# KiCad board hellen72_NB2.kicad_pcb (continued)
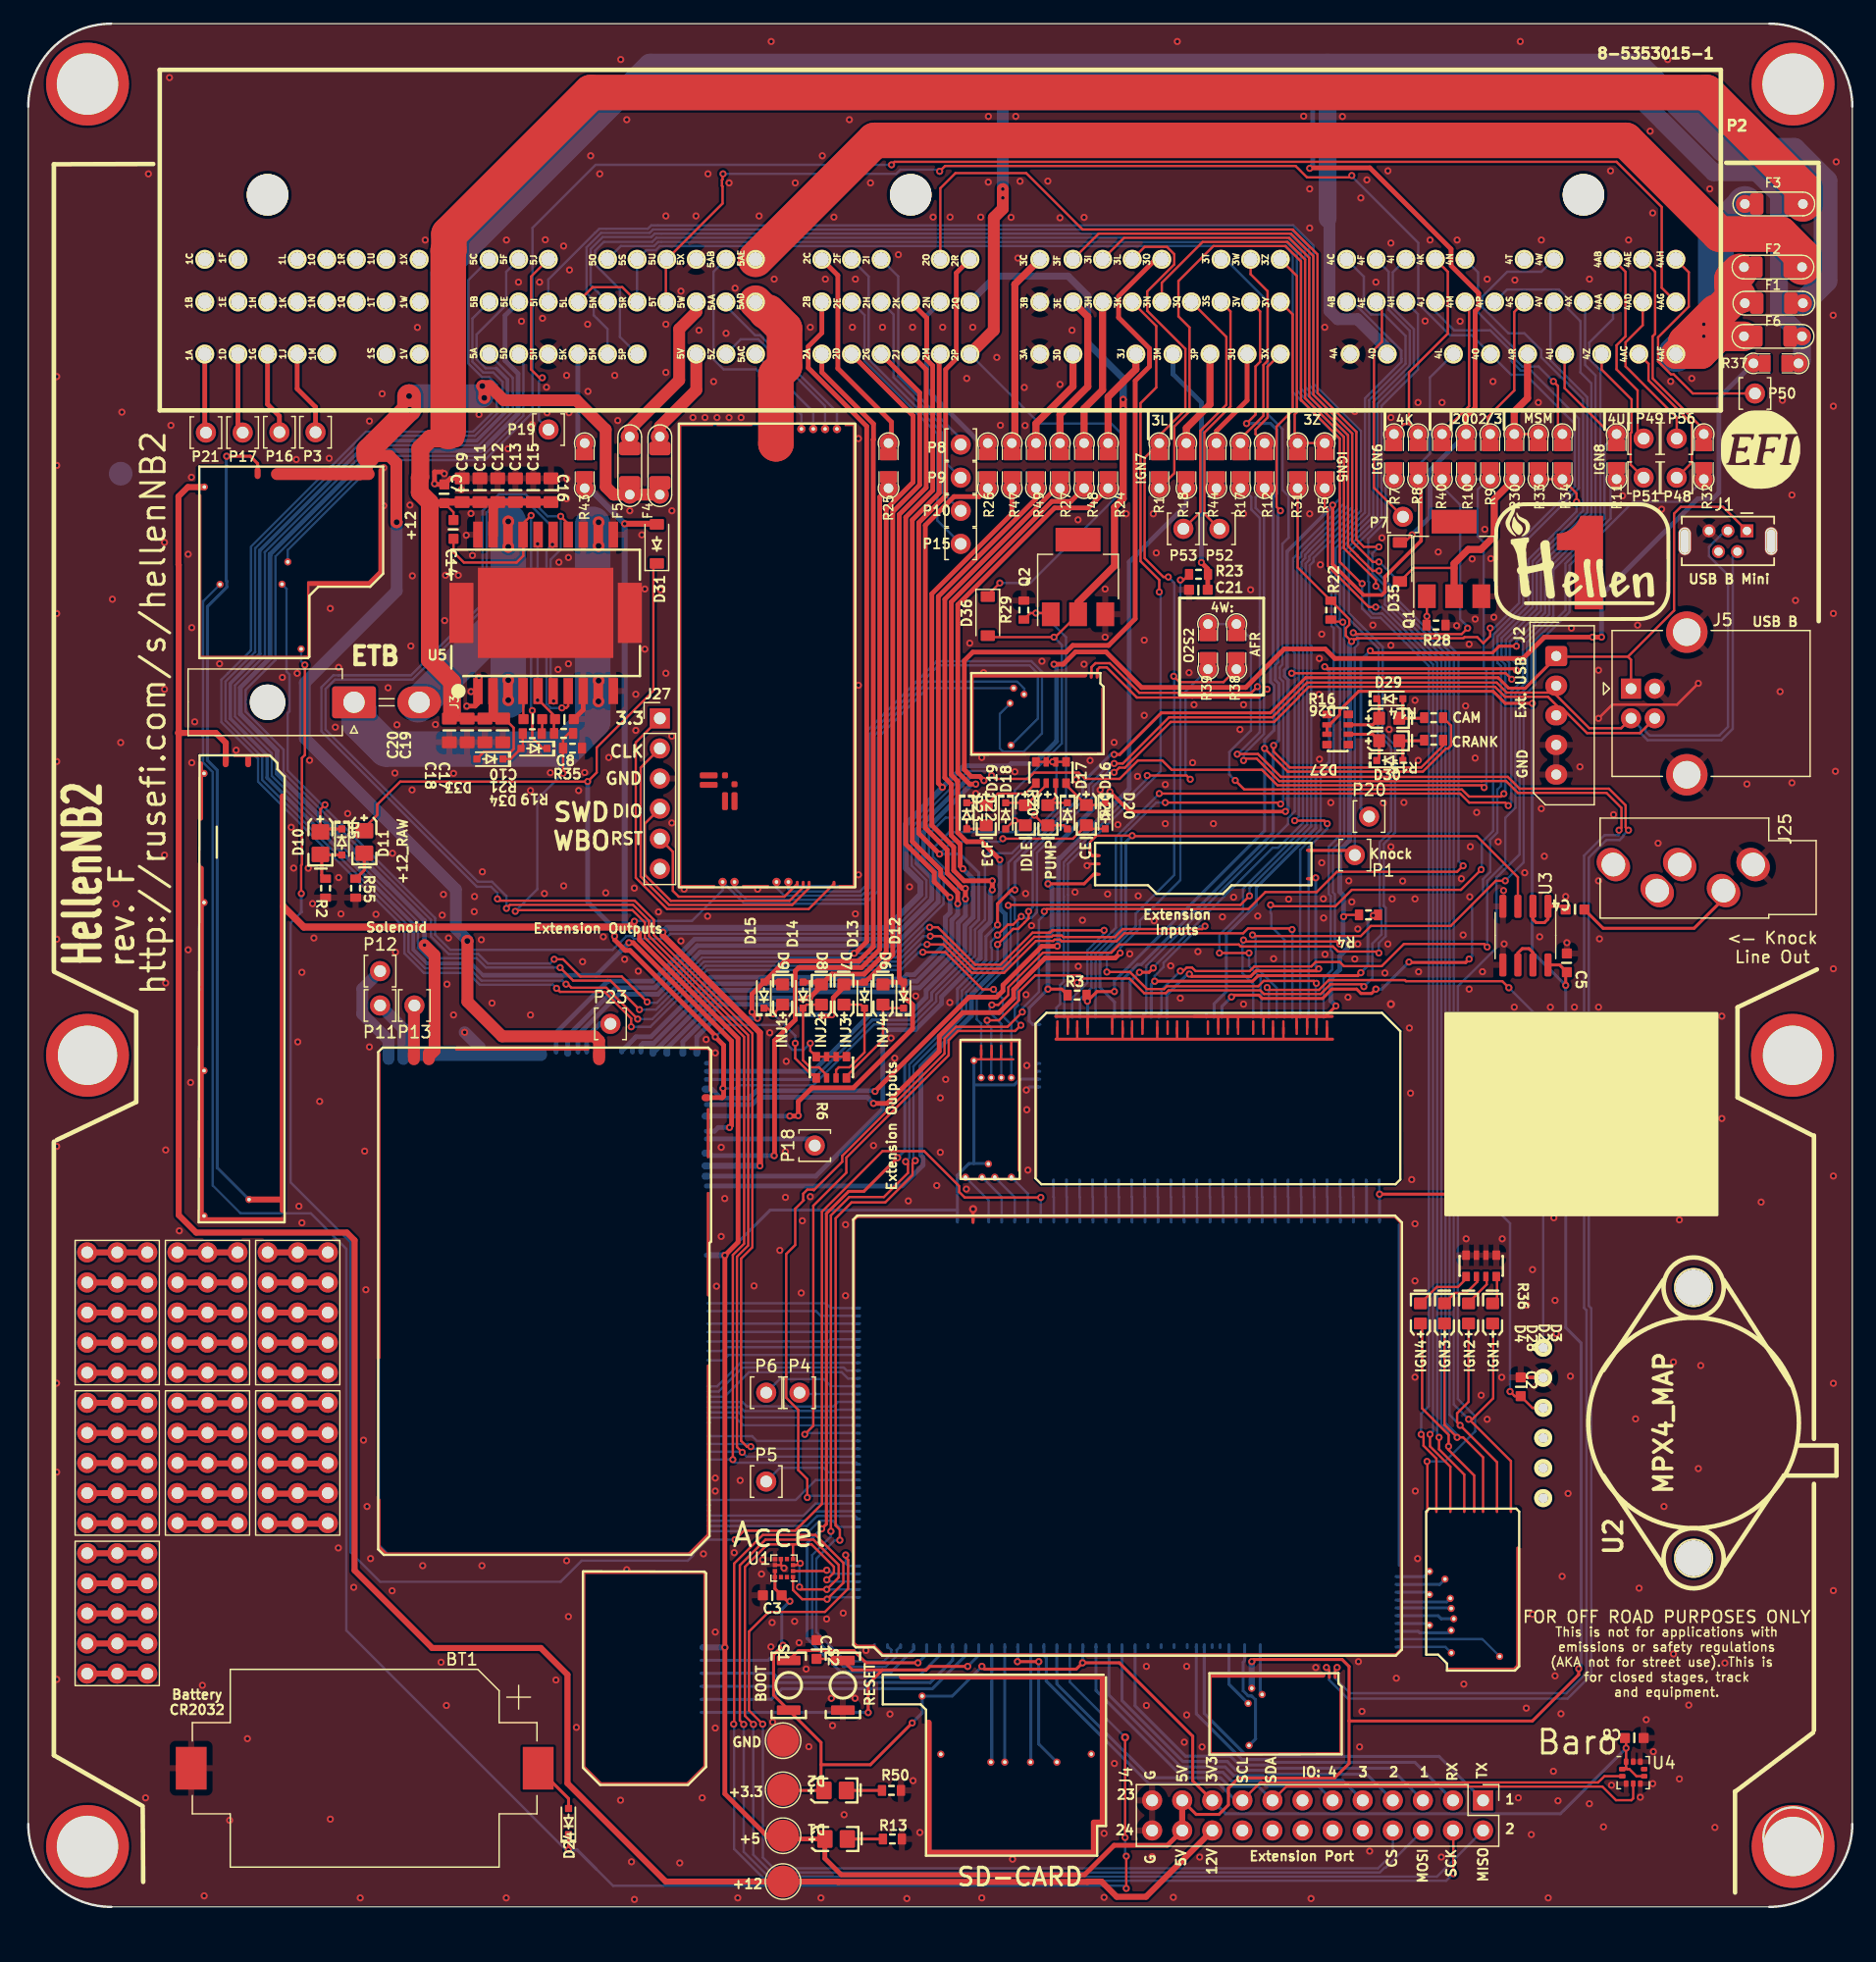
[diagram p0: board, top side]
## Routing (per net, layer and track width the routed paths; a pad name or vN(x,y) marks a point on that pad's centre or on a via; arc(x,y) is an arc through that point) (continued)
/IN_PPS2: length 146.4
  Top w0.2: v1(103.07,80.54) v1(100.57,80.54)
  Bottom w0.2: v1(100.57,80.54) 100.57,82.06 102.56,84.05 102.56,85.97 107.97,91.38 107.97,106.31 107.84,106.44 107.84,113.42 108.16,113.74 108.16,114.03 108.44,114.3 108.44,114.32 112.13,118 112.13,124.49 108.15,128.47 108.15,140.12 106.65,141.62 52.74,141.62 52.46,141.34 48.35,141.34 47.13,140.12 47.13,136.26 47.74,135.66 47.74,134.38 48.9,133.22 P2.96 ; M1.S18 104.1,75.24 104.1,77.3 104.05,77.36 104.05,78.45 103.07,79.43 v1(103.07,80.54)
/IN_RES3: length 168.1
  Top w0.2: v1(75.88,81.26) 77.26,81.26 79.66,78.86 82.38,78.86 85.08,81.55 86.55,81.55 86.65,81.66 87.11,81.66 87.24,81.53 91.88,81.53 92.55,82.21 102.57,82.21 102.98,82.61 106.61,82.61 v1(106.7,82.52) ; v1(45.4,77.91) 45.55,77.91 45.85,77.61 48.8,77.61 v1(51.45,74.96)
  Bottom w0.2: M1.S22 106.72,82.5 v1(106.7,82.52) ; P2.48 37.5,134.11 37.5,130.46 38.4,129.56 39.25,129.56 40.05,128.75 40.05,126.55 37.7,124.2 28.65,124.2 19.15,114.7 19.15,105.96 16.65,103.46 16.65,100.17 19.75,97.08 19.75,95.16 25.55,89.36 25.57,89.36 32.1,82.83 32.1,80.65 33.49,79.26 37.22,79.26 38.27,78.21 45.1,78.21 v1(45.4,77.91) ; v1(51.45,74.96) 52.68,74.96 57.18,79.46 69.02,79.46 69.22,79.26 70.25,79.26 70.45,79.46 73.54,79.46 75.35,81.26 v1(75.88,81.26)
/IN_SENS2: length 65.8
  Top w0.2: P2.67 95.23,133.47 95.23,128.29 93.91,126.96 93.91,113.61 95.49,112.03 v1(95.49,111.02)
  Bottom w0.2: v1(95.49,111.02) 95.6,110.9 95.6,95.87 87.78,88.05 87.78,85.43 87.78,85.43 87.78,77.98 87.47,77.67 M1.S2
/IN_SENS3: length 143.9
  Top w0.2: v1(44.4,80.01) 45.15,80.01 46.6,78.56 50.1,78.56 v1(52.25,76.41) ; v1(76.1,82.71) 76.8,82.71 79.95,79.55 82.09,79.55 84.79,82.25 86.26,82.25 86.46,82.45 v1(90.83,82.45)
  Bottom w0.2: v1(52.25,76.41) 52.32,76.34 53.07,76.34 56.89,80.16 69.31,80.16 69.51,79.96 69.96,79.96 70.16,80.16 73.25,80.16 75.8,82.71 v1(76.1,82.71) ; v1(90.83,82.45) 90.83,82.17 89.41,80.75 89.41,78.01 88.13,76.73 M1.S3 ; v1(44.4,80.01) 44.05,79.65 38.8,79.65 38,80.45 35.49,80.45 34,81.94 34,83.34 24.84,92.51 24.82,92.51 21.55,95.78 21.55,97.71 18.35,100.91 18.35,102.76 20.87,105.27 20.87,114.02 29.36,122.5 38.41,122.5 41.8,125.9 41.8,130.71 P2.93
/IN_STEERING: length 70
  Bottom w0.2: P2.30 112.76,137.65 112.76,135.95 112.75,135.94 112.75,135.07 113.37,134.46 114.47,134.46 116.28,132.64 116.28,130.29 113.2,127.21 113.2,117.55 110.38,114.72 110.38,108.3 110.75,107.93 110.75,90.46 109.8,89.52 109.8,85.5 109.96,85.34 109.96,80.79 110.08,80.67 110.08,79.13 109.36,78.41 M1.S26
/IN_TPS: length 187.3
  Top w0.2: v1(125.25,103.65) 124.74,104.16 106.92,104.16
  Bottom w0.2: 107.81,115.21 107.17,114.57 107.17,114.52 107.12,114.46 107.12,114.17 106.8,113.85 106.8,106 106.92,105.88 106.92,92.49 106.37,91.94 106.37,91.43 94.39,79.46 94.39,75.46 M1.S10 ; P2.80 128.51,135.21 128.51,130.57 131.62,127.46 131.62,117.73 128.18,114.29 127.36,113.47 127.36,109.6 124.74,106.98 124.74,105.33 125.05,105.02 125.05,103.85 v1(125.25,103.65) ; P2.11 50.02,140.23 52.83,140.23 53.18,140.57 53.47,140.57 106.21,140.57 107.1,139.68 107.1,128.03 111.08,124.06 111.08,118.48 107.78,115.17
  vias: v1(106.66,104.16)
/IN_TPS2: length 141.5
  Top w0.254: v1(93.81,78.91) 94.62,78.91 v1(94.98,79.27)
  Bottom w0.2: P2.52 47.48,136.93 47.48,139.97 48.5,140.99 52.6,140.99 52.89,141.27 53.47,141.27 106.5,141.27 107.8,139.97 107.8,128.32 111.78,124.35 111.78,118.16 108.19,114.57 108.19,114.56 108.09,114.46 108.09,114.45 107.81,114.17 107.81,113.88 107.49,113.56 107.49,106.29 107.62,106.17 107.62,91.52 105.52,89.43 105.07,89.43 94.98,79.33 v1(94.98,79.27)
  Bottom w0.254: v1(93.81,78.91) 93.03,78.12 M1.S9
/IN_VIGN: length 171.4
  Top w0.2: v1(25.05,93.06) 24.66,92.67 D10.1 ; v1(81.33,95.52) 81.62,95.24 84.39,95.24 84.92,95.77 88.7,95.77 89.22,95.24 92.14,95.24 93.69,96.79 95.74,96.79 96.53,96.01 104.16,96.01 105.47,94.7 122.73,94.7 v1(122.92,94.51)
  Top w0.254: 24.78,90.61 25.18,91.01 D5.1
  Bottom w0.2: v1(122.92,94.51) 123.11,94.69 123.11,104.4 122.88,104.62 122.88,115.21 122.37,115.72 122.37,119.66 123.22,120.51 ; M10.V3 21.8,111.3 21.8,104.3 22.05,104.05 22.05,100.94 21.9,100.79 21.9,95.93 24.78,93.06 v1(25.05,93.06) 25.05,92.78 34.35,83.48 34.35,82.08 35.63,80.8 49.33,80.8 50.48,81.95 50.94,81.95 51.15,81.74 53.81,81.74 54.22,82.15 72.71,82.15 75.82,85.27 75.82,86.68 74.59,87.92 74.59,91.16 79.32,95.9 80.96,95.9 v1(81.33,95.52) ; R10.1 R9.1
/IN_VSS: length 79.8
  Top w0.2: v1(105.73,93.11) 105.61,93.24 v1(96,93.24)
  Bottom w0.2: P2.27 101.09,139.11 104.65,135.54 104.65,126.01 105.9,124.76 105.9,119.62 106.41,119.11 106.41,115.61 105.88,115.08 105.88,104.89 105.66,104.67 105.66,103.74 105.96,103.45 105.96,93.34 v1(105.73,93.11) ; M1.S6 90.11,80.46 92.28,82.63 92.28,90.29 92.97,90.99 92.99,90.99 95.23,93.24 v1(96,93.24)
/IN_VTCS: length 87.6
  Top w0.2: v1(104.89,84.6) 105,84.48 110.36,84.48 111.74,85.87 120.95,85.87 v1(122.67,87.58)
  Bottom w0.2: v1(104.89,84.6) 104.89,83.92 104.95,83.86 104.95,82.75 106.06,81.64 M1.S21 ; P2.76 118.8,134.69 120.38,133.11 123.43,133.11 125.18,131.36 125.18,130.53 126,129.71 126.87,129.71 130.92,125.66 130.92,119.79 126.22,115.09 126.22,109.94 123.68,107.4 123.68,90.85 122.73,89.9 122.73,87.64 v1(122.67,87.58)
/INJ1: length 13.7
  Bottom w0.2: M3.E25 70.05,44.61 69.21,44.61 68.68,45.14 60.85,45.14 58.78,43.07 M5.W24
/INJ2: length 13.6
  Bottom w0.2: M5.W23 58.28,43.51 60.31,45.54 68.84,45.54 69.1,45.28 M3.E26
/INJ3: length 12.8
  Bottom w0.2: M5.W20 58.55,46.94 58.87,47.26 M3.E29
/INJ4: length 12.7
  Bottom w0.2: M3.E30 67.73,47.92 67.55,47.74 M5.W19
/INJ5: length 12.6
  Bottom w0.2: M5.W18 67.55,48.54 67.59,48.58 M3.E31
/INJ6: length 12.6
  Bottom w0.2: M3.E32 57.45,49.24 M5.W17
/INJ7: length 12.8
  Bottom w0.2: M3.E33 66.91,49.9 66.5,50.31 66.5,50.3 M5.W16
/INJ8_BOOST: length 12.8
  Bottom w0.2: M3.E34 67.76,50.56 67.35,50.96 M5.W15
/IO4: length 5
  Bottom w0.2: P4.1 65.22,43.3 M3.E23
/IO12: length 8.4
  Bottom w0.2: M3.E13 67.52,36.7 67.16,37.06 63.45,37.06 P5.1
/IO13: length 8.5
  Bottom w0.2: P6.1 63.45,44.56 67.16,44.56 67.76,43.96 M3.E24
/KNOCK: length 3.3
  Bottom w0.2: M3.S12 90.98,59.92 90.96,59.95 M1.N22
/LOW7_HIGH1: length 13.1
  Bottom w0.2: M5.W39 65.77,32.16 66.61,33 69.74,33 69.77,32.97 69.83,32.97 M3.E7
/MAIN: length 13.2
  Bottom w0.2: M5.W40 65.93,31.72 66.81,32.6 67.92,32.6 68.44,32.08 M3.E6
/MAP1: length 3.3
  Bottom w0.2: M3.S20 99.78,59.92 99.76,59.95 M1.N14
/MAP2: length 3.3
  Bottom w0.2: M1.N13 100.86,59.95 100.88,59.92 M3.S21
/MAP3: length 3.3
  Bottom w0.2: M1.N12 101.96,59.95 101.98,59.92 M3.S22
/NRESET: length 33.5
  Top w0.2: C1.2 68.64,20.94 S2.1
  Top w0.254: S2.1 69.58,20.01 72.11,20.01 ; v2(70.91,16.41) 70.91,18.81 72.11,20.01 ; 72.11,20.01 75.75,20.01 75.78,19.97 76.11,20.31 v2(79.31,20.31)
  Bottom w0.254: v2(70.91,16.41) 70.9,16.42 M7.N6 ; M3.N24 80.24,21.24 v2(79.31,20.31)
/O2H: length 13
  Bottom w0.2: M5.W38 65.61,32.6 66.41,33.4 M3.E8
/O2H2: length 13.3
  Bottom w0.2: M5.W34 64.79,34.36 66.47,36.04 M3.E12
/OUT_AC_RELAY: length 88.8
  Top w0.4: v1(77.82,85.23) 76.48,86.57 76.48,87.33 74.08,89.73 74.08,117.33 76.35,119.6 76.35,130.13 75.85,130.63 75.85,134.15 P2.61
  Bottom w0.4: M5.S12 51.31,73.47 52.58,73.47 57.6,78.49 66.9,78.49 67.03,78.35 73.83,78.35 74.18,78.7 74.8,78.7 77.42,81.33 77.42,83.54 77.82,83.94 v1(77.82,85.23)
/OUT_ALTERNATOR: length 21.1
  Top w0.4: C21.2 99.58,112.97 v1(99.04,113.51)
  Bottom w0.4: P2.110 96.64,129.42 99.04,127.02 v1(99.04,113.51)
/OUT_CANIST: length 70.9
  Top w0.4: R27.2 86.75,119.78 77.38,110.4 77.38,95.34 77.92,94.8 77.92,90.47 78.68,89.71 78.68,87.87 v1(78.91,87.65)
  Bottom w0.4: v1(78.91,87.65) 79.77,86.79 79.77,83.56 79.07,82.86 79.07,80.65 75.8,77.38 75.8,76.8 74.36,75.36 71.07,75.36 66.25,70.54 M5.W2
/OUT_CHECK_ENGINE: length 105.9
  Top w0.2: D20.2 89.63,91.02 D16.2 88.19,90.19 v1(82.28,90.19)
  Top w0.4: v1(76.93,88.89) 75.18,90.64 75.18,116.88 77.45,119.15 77.45,129.81 78.35,130.71 78.35,137.96 P2.21
  Bottom w0.2: v1(82.28,90.19) 82.03,89.93 77.98,89.93 v1(76.93,88.89)
  Bottom w0.254: v1(76.93,88.89) 78.67,88.89 80.25,87.31 80.25,83.36 79.55,82.66 79.55,80.45 76.28,77.18 76.28,76.6 74.56,74.88 71.27,74.88 66.25,69.86 M5.W3
/OUT_ECF_RELAY: length 107.8
  Top w0.2: v1(79.23,91.97) D23.2 80.58,91.02 D19.2
  Top w0.4: P2.58 67,132.9 65.85,131.75 65.85,129.94 70.79,125.01 70.79,81.49 69.8,80.51 v1(69.73,80.51)
  Bottom w0.2: v1(69.73,80.51) 73.11,80.51 77.27,84.67 77.27,87.28 76.03,88.52 76.03,90.55 77.45,91.97 v1(79.23,91.97)
  Bottom w0.4: v1(69.73,80.51) 69.63,80.61 56.71,80.61 53.16,77.06 49.84,77.06 46.41,73.62 M5.S8
/OUT_ETB+: length 25.7
  Bottom w3: 40.53,108.63 v4(40.53,103.58) v4(40.53,101.88) ; 40.53,108.63 40.03,108.63 32.9,101.5 ; 40.53,108.63 v4(40.53,114.83) v4(40.53,116.98)
/OUT_ETB-: length 40
  Bottom w3: 27.4,101.5 27.93,100.97 27.93,100.06 30.23,97.75 45.04,97.75 45.14,97.65 45.2,97.65 47.65,100.11 47.65,116.73
  vias: v4(48.15,116.91) v4(48.15,114.91) v4(48.15,103.53) v4(48.14,101.78)
/OUT_HIGH1: length 124.5
  Top w0.4: v1(50.71,81.4) 51.07,81.4 59.38,73.1 59.38,65.98 v1(59.2,65.81)
  Bottom w0.2: P2.9 40.35,138.06 40.35,135.26 37.85,132.76 37.85,130.67 38.62,129.91 39.5,129.91
  Bottom w0.3: 39.5,129.91 40.45,128.95 40.45,126.39 37.87,123.8 28.82,123.8 19.55,114.54 19.55,105.79 17.05,103.29 17.05,100.34 20.16,97.23 20.16,95.33 32.5,82.99 32.5,80.81 33.66,79.66 37.4,79.66 38.4,78.66 38.45,78.66
  Bottom w0.4: v1(59.2,65.81) 58.25,65.81 57.94,65.49 M5.W8 ; v1(50.71,81.4) 47.96,78.66 38.45,78.66
/OUT_HIGH2: length 3.6
  Bottom w0.4: P23.1 48.25,74.56 47.14,73.44 M5.S9
/OUT_IDLE: length 70
  Top w0.2: D22.2 83.21,91.71 v1(83.3,91.71) 83.79,91.71 D18.2 ; Q2.2 86.7,107.21 81.14,107.21 D36.2
  Top w0.6: v1(92.44,127.27) v1(92.44,126.51) 92.44,118.89 91.71,118.16 91.71,113.23 88.63,110.14 Q2.2
  Bottom w0.2: v1(83.3,91.71) 83.3,94.27 87.26,98.23 87.26,106.54 v1(86.6,107.21)
  Bottom w0.6: v1(92.44,126.51) v1(92.44,127.27) 92.44,129.05 89.45,132.04 89.45,136.02 87.79,137.69 81.68,137.69 P2.63
/OUT_IGN1: length 144.2
  Top w0.2: v1(114.03,113.56) 113.51,113.56 111.78,115.29 111.78,124.4 108.5,127.68 108.5,139.38 106.6,141.27 90.37,141.27 P2.23 ; 123.68,49.19 123.68,42.94 121.9,41.17 v1(121.61,41.17) 121.65,41.17 125.18,37.64 M2.S8
  Bottom w0.2: v1(121.61,41.17) 120.35,42.42 120.35,105.64 115.59,110.4 115.59,112.03 114.06,113.56 v1(114.03,113.56)
/OUT_IGN2: length 140.7
  Top w0.2: D25.1 121.6,42.64 120.63,41.67 120.63,40.91 v1(120.89,40.66) 124,37.54 M2.S7 ; v1(114.04,112.8) 113.5,112.8 112.25,114.05 112.25,114.06 111.43,114.89 111.43,124.26 108.15,127.54 108.15,139.23 106.46,140.92 92.52,140.92 P2.24
  Bottom w0.2: v1(114.04,112.8) 114.04,112.52 115.24,111.32 115.24,110.25 120,105.49 120,41.55 v1(120.89,40.66)
/OUT_IGN3: length 164.7
  Top w0.2: D28.1 119.57,40.71 v1(120.63,39.64) 121.14,39.64 122.83,37.96 M2.S6 ; v1(114.03,114.83) 112.76,114.83 112.13,115.46 112.13,124.55 108.85,127.83 108.85,139.52 106.79,141.58 106.79,141.62 89.01,141.62 84.25,146.38 78.28,146.38 77,145.11 P2.20
  Bottom w0.2: v1(114.03,114.83) 113.48,114.28 113.48,112.58 114.89,111.18 114.89,110.11 119.65,105.35 119.65,40.87 120.63,39.88 v1(120.63,39.64)
/OUT_IGN4: length 138.7
  Top w0.2: M2.S5 122.08,36.42 119.91,38.58 v1(119.91,38.88) 119.91,39.85 117.68,42.09 117.68,49.11 D4.1 ; v1(113.78,111.51) 113.78,112.02 111.08,114.71 111.08,124.11 107.8,127.39 107.8,139.09 106.31,140.57 99.15,140.57 95.7,137.13 P2.68
  Bottom w0.2: v1(119.91,38.88) 119.91,40.11 119.3,40.72 119.3,105.2 114.54,109.96 114.54,110.78 113.8,111.51 v1(113.78,111.51)
/OUT_IGN5: length 91.9
  Top w0.2: R5.1 109.46,118.24 109.72,117.97 109.72,113.2 113.18,109.75 113.81,109.75 ; v1(119.11,39.64) 119.11,38.63 121.24,36.5 M2.S4
  Bottom w0.2: v1(119.11,39.64) 118.95,39.8 118.95,105.06 114.26,109.75 v1(113.76,109.75)
/OUT_IGN6: length 91.5
  Top w0.2: v1(118.35,39.9) 118.35,38.88 120.06,37.17 M2.S3
  Bottom w0.2: v1(118.35,39.9) 118.6,40.15 118.6,104.91 114.32,109.2 113.53,109.2 113.21,109.52 113.21,111.84 113.13,111.91 113.13,115.49 114.6,116.97 114.6,119.84 R7.1
/OUT_IGN7: length 143.5
  Top w0.2: M2.S2 118.89,37.85 117.8,38.93 117.8,39.7 v1(117.6,39.9) ; 95.49,120.92 R1.1 96.76,121.05 96.76,124.99 98.04,126.27 98.04,133.35 97.11,134.29 97.11,137.27 100.06,140.23 106.16,140.23 107.45,138.93 107.45,127.19 107.51,127.19 110.73,123.97 110.73,113.56 112.56,111.72 v1(112.62,111.72)
  Bottom w0.2: v1(117.6,39.9) 117.6,41.62 118.25,42.28 118.25,104.77 114.17,108.85 113.39,108.85 112.62,109.62 v1(112.62,111.72)
/OUT_IGN8: length 95.8
  Top w0.2: M2.S1 118.13,37.58 v1(118.09,37.61)
  Bottom w0.2: R11.1 133.59,120.03 133.59,117.22 129.78,113.41 129.78,109.49 126.89,106.6 126.89,103.33 125.9,102.34 125.9,88.85 123.95,86.9 123.95,80.98 120.7,77.73 120.7,42.88 122.16,41.42 122.16,40.15 119.62,37.61 v1(118.09,37.61)
/OUT_INJ1: length 75.4
  Top w0.4: D9.2 63.49,78.08 D15.2 ; D15.2 61.1,77.07 v1(61.1,75.56) 61.1,75.49 v2(61.57,75.02) ; D15.2 63.89,79.86 70.13,79.86 71.34,81.07 71.34,123.87 71.36,123.89 71.36,125.21 67,129.57 P2.101
  Bottom w0.4: M5.S18 56.44,73.44 58.02,75.02 v2(61.57,75.02) 61.1,75.49 v1(61.1,75.56)
/OUT_INJ2: length 78
  Top w0.4: v1(65.4,76.63) 65.5,76.73 v2(65.96,76.73) 66.96,77.74 D8.2 ; P2.102 74.71,125.9 74.71,120.28 72.44,118.01 72.44,80.61 70.58,78.76 67.84,78.76 67.16,78.08 D14.2
  Bottom w0.4: M5.S16 53.91,72.47 58.2,76.75 65.28,76.75 v1(65.4,76.63) 65.5,76.73 v2(65.96,76.73)
/OUT_INJ3: length 79.8
  Top w0.4: v2(67,75.23) 67.75,75.23 67.96,75.44 67.96,76.77 69.28,78.08 D13.2 ; D7.2 68.98,78 70.52,78 D13.2 ; D13.2 70.68,78.08 72.99,80.38 72.99,117.79 75.26,120.06 75.26,127.85 P2.103 ; v1(67.84,75.32) 67.86,75.34
  Bottom w0.4: v2(67,75.23) 67.09,75.32 v1(67.84,75.32) 65.44,75.32 64.55,76.21 58.42,76.21 55.26,73.05 M5.S17
/OUT_INJ4: length 82.7
  Top w0.4: D6.2 72.36,78.08 D12.2 ; v1(64.3,66.77) 64.97,66.77 v2(65.01,66.81) 65.01,67.99 66.17,69.15 69.66,69.15 74.66,74.15 74.66,76.18 74.31,76.53 74.23,76.53 73.9,76.86 D12.2 ; D12.2 73.53,78.44 73.53,117.56 75.81,119.83 75.81,129.8 P2.104
  Bottom w0.4: v2(65.01,66.81) 64.97,66.77 v1(64.3,66.77) M5.W7
/OUT_INJ5: length 69.3
  Top w0.4: v2(62.98,63.43) 63,63.46 63,73.14 64.75,74.9 64.75,79.01 65.05,79.31 70.35,79.31 71.89,80.84 71.89,119.04 R25.1
  Bottom w0.4: v2(62.98,63.43) 62.97,63.43 57.73,63.43 57.52,63.64 M5.W10
/OUT_INJ6: length 74.5
  Top w0.4: R26.1 80.3,119.07 78.16,119.07 75.73,116.65 75.73,91.1 77.58,89.25 77.58,87.28 78.88,85.98 v1(79.12,85.98) v1(79.12,85.11)
  Bottom w0.4: v1(79.12,85.98) v1(79.12,85.11) 79.12,83.69 78.52,83.09 78.52,80.88 75.23,77.58 75.21,77.6 74.63,77.6 74.28,77.26 66.57,77.26 66.44,77.39 58.05,77.39 52.83,72.17 M5.S15
/OUT_INJ7: length 81.9
  Top w0.4: v1(81.39,85.87) v1(81.39,86.63) 79.01,86.63 78.13,87.51 78.13,89.48 76.28,91.33 76.28,110.86 83.04,117.62 R47.1
  Bottom w0.4: v1(81.39,86.63) v1(81.39,85.87) 81.22,85.7 81.22,83.17 80.38,82.32 80.38,80.11 77.1,76.84 77.1,76.26 74.9,74.05 72.55,74.05 72.14,73.65 72.14,67.35 66.49,61.69 M5.W12
/OUT_INJ8_BOOST: length 233.1
  Top w0.4: R49.1 85.07,118.87 76.83,110.63 76.83,94.87 v1(77.18,94.53) ; v1(132.83,107.21) v1(132.06,107.21) 128,107.21 126.2,105.41 110.3,105.41 109.5,106.21 106.04,106.21 102.79,102.96 93.99,102.96 90.99,105.96 88.41,105.96 87.37,104.92 v1(86.6,104.92)
  Top w0.508: v1(53.58,82.29) 53.58,82.01 61.77,73.82 v1(61.77,62.57) ; D31.2 53.02,116.78 v1(50.35,116.78)
  Bottom w0.4: v1(132.06,107.21) v1(132.83,107.21) 132.83,110.76 140.95,118.89 142.22,118.89 142.73,119.4 142.73,127.4 R37.1 ; v1(77.18,94.53) 78.99,96.35 82.81,96.35 83.01,96.54 84.93,96.54 86.81,98.42 86.81,104.7 v1(86.6,104.92)
  Bottom w0.508: R43.1 47.35,119.4 47.74,119.4 v1(50.35,116.78) 50.35,83.03 50.88,82.5 53.36,82.5 v1(53.58,82.29) 53.95,82.66 72.5,82.66 75.32,85.48 75.32,86.47 74.08,87.71 74.08,91.39 77.18,94.48 v1(77.18,94.53) ; M5.W11 v1(61.77,62.57)
/OUT_LOW7_PULLUP: length 9.3
  Bottom w0.4: M5.W9 65.84,64.84 P18.1
/OUT_MAIN_RELAY: length 87.3
  Top w0.4: R48.1 88.03,118.67 86.42,118.67 77.93,110.18 77.93,95.57 78.47,95.03 78.47,90.7 79.23,89.93 80.5,89.93 v1(82.03,88.41)
  Bottom w0.4: v1(82.03,88.41) 82.04,88.4 82.04,84.27 82.49,83.82 82.49,79.88 79.63,77.02 79.63,75.24 75.35,70.96 75.35,63.47 75.54,63.28 75.54,62.62 73.79,60.87 M5.W13
/OUT_O2H: length 82.7
  Top w0.4: v1(79.99,94.8) 79.48,94.8 78.48,95.79 78.48,109.95 86.65,118.12 89.51,118.12 R24.1
  Bottom w0.4: M5.S7 45.54,73.53 49.62,77.61 52.93,77.61 56.48,81.16 73.12,81.16 76.82,84.86 76.82,87.09 75.59,88.33 75.59,90.73 79.65,94.8 v1(79.99,94.8)
/OUT_O2H2: length 78.9
  Top w0.4: v1(71.49,68.85) 71.49,68.88 79.42,76.8 81.75,76.8 82.29,77.35 82.29,77.82 85.57,81.11 86.87,81.11 v1(86.88,81.11)
  Bottom w0.4: R18.1 97.77,118.38 92.95,113.56 92.95,94.38 87.1,88.54 86.98,88.54 86.98,81.21 v1(86.88,81.11) ; v1(71.49,68.85) 71.44,68.91 61.49,68.91 60.87,68.29 58.47,68.29 57.71,69.04 M5.W4
/OUT_PUMP_RELAY: length 101.9
  Top w0.2: v1(84.95,92.17) 85.8,91.32 D17.2 87.43,91.32 D21.2
  Top w0.4: v1(78.47,84.7) 78.47,85.61 77.03,87.05 77.03,87.56 74.63,89.96 74.63,117.1 76.9,119.37 76.9,130.35 76.58,130.68 P2.105
  Bottom w0.2: v1(84.95,92.17) 83.51,90.74 77.75,90.74 76.38,89.37 76.38,88.66 78.47,86.57 v1(78.47,84.7)
  Bottom w0.4: v1(78.47,84.7) 78.47,83.81 77.97,83.31 77.97,81.1 75.02,78.15 74.4,78.15 74.05,77.8 66.8,77.8 66.67,77.94 57.83,77.94 52.81,72.92 51.91,72.92 51.72,72.72 M5.S14
/OUT_SOLENOID_A1: length 8.8
  Bottom w1: P12.1 28.2,77.51 28.2,75.39 30.3,73.29 30.41,73.29 M5.S1
/OUT_SOLENOID_A2: length 5.1
  Bottom w1: M5.S2 31.67,74.14 P11.1
/OUT_SOLENOID_B1: length 4.3
  Top w1: M5.S4 32.56,76.06 P13.1
/OUT_SOLENOID_B2: length 86.6
  Top w1: M5.S5 34.3,72.3 34.3,80.36 v1(33.45,81.21)
  Bottom w0.4: v1(33.45,81.21) 33.45,83.25 30.35,86.35 30.34,86.35 21.01,95.69 21.01,97.61 17.9,100.72 17.9,102.94 20.42,105.46 20.42,114.21 29.17,122.95 38.22,122.95 41.35,126.09 41.35,129.45 40.25,130.55 40.25,134.36 P2.49
/OUT_TACH: length 112.8
  Top w0.4: P2.26 95.18,139.11 92.05,135.98 92.05,134.19 94.66,131.58 94.66,130.05 93.46,128.85 93.46,108.76 91.21,106.51 88.18,106.51 87.61,105.94 79.74,105.94 79.03,105.23 79.03,96.02 79.61,95.45 80.33,95.45 v1(80.68,95.09)
  Bottom w0.4: M5.S6 44.56,73.81 48.91,78.16 52.7,78.16 56.25,81.7 72.9,81.7 76.27,85.08 76.27,86.86 75.04,88.1 75.04,90.96 79.52,95.45 80.33,95.45 v1(80.68,95.09)
/OUT_VVT: length 17.7
  Top w0.2: D35.2 116.95,113.05 120.38,113.05
  Top w0.6: R30.1 123.77,118.85 123.77,115.73 122.65,114.61 121.57,114.61 120.38,113.42 Q1.2
/PPS: length 3.3
  Bottom w0.2: M3.S29 109.68,59.92 109.66,59.95 M1.N5
/PPS2: length 3.3
  Bottom w0.2: M1.N9 105.26,59.95 105.28,59.92 M3.S25
/PRESSURE: length 3.3
  Bottom w0.2: M1.N10 104.16,59.95 104.18,59.92 M3.S24
/PUMP: length 12.8
  Bottom w0.2: M5.W27 59.97,41.75 60.4,41.32 M3.E20
/RES3: length 3.3
  Bottom w0.2: M3.S23 103.08,59.92 103.06,59.95 M1.N11
/SD_CS: length 9.8
  Bottom w0.254: M4.V4 81.34,12.3 M3.N23
/SD_MISO: length 12.2
  Top w0.254: v2(85.31,20.71) v2(83.51,20.71)
  Bottom w0.254: M3.N21 83.54,20.74 v2(83.51,20.71) ; v2(85.31,20.71) 85.31,13.75 M4.V7
/SD_MOSI: length 9.8
  Bottom w0.254: M3.N22 M4.V5
/SD_SCK: length 9.8
  Bottom w0.254: M4.V6 84.64,12.25 M3.N20
/SENS1: length 3.3
  Bottom w0.2: M3.S8 86.58,59.92 86.56,59.95 M1.N26
/SENS2: length 3.3
  Bottom w0.2: M3.S9 87.68,59.92 87.66,59.95 M1.N25
/SENS3: length 3.3
  Bottom w0.2: M3.S10 88.78,59.92 88.76,59.95 M1.N24
/SENS4: length 3.3
  Bottom w0.2: M3.S11 89.88,59.92 89.86,59.95 M1.N23
/SOLENOID_B2: length 12.8
  Bottom w0.2: M3.E17 61.52,39.34 61.11,39.74 M5.W30
/STEERING: length 3.3
  Bottom w0.2: M1.N3 111.86,59.95 111.88,59.92 M3.S31
/TACH: length 13.4
  Bottom w0.2: M5.W22 58.16,43.95 60.15,45.94 M3.E27
/TPS: length 3.3
  Bottom w0.2: M3.S17 96.48,59.92 96.46,59.95 M1.N17
/TPS2: length 3.3
  Bottom w0.2: M3.S30 110.78,59.92 110.76,59.95 M1.N4
/UART_EXT_RX: length 30.4
  Bottom w0.254: J4.3 117.07,12.21 105.04,12.21 104.81,12.44 102.48,12.44 98.62,16.3 M3.N7
/UART_EXT_TX: length 32.3
  Bottom w0.254: J4.1 119.11,12.71 105.41,12.71 105.21,12.91 102.71,12.91 99.28,16.33 M3.N6
/USB+: length 174.7
  Top w0.203: v1(91.68,95.79) 91.71,95.79 92.1,96.18 92.59,96.18 96.45,100.05 105.18,100.05 107.26,102.13 107.26,102.17 108.11,103.01 123.84,103.01 124.68,102.17 128.31,102.17 129.33,101.15 129.56,101.15 ; 129.56,101.15 129.02,100.61 J2.3 ; 129.56,101.15 131.6,99.11 136.07,99.11 137.32,100.36 ; v1(83.84,83.62) 83.14,82.93 82.71,82.93 v2(81.83,82.06) ; v2(74.07,62.92) 74.27,62.72 74.27,61.97 72.24,59.93 69.32,59.93 67.76,58.38 v2(67.76,31.71)
  Bottom w0.203: M3.N30 73.32,21.69 73.32,21.19 72.41,20.28 68.82,20.28 66.18,22.91 66.18,29.7 67.76,31.28 v2(67.76,31.71) ; v2(81.83,82.06) 81.28,81.5 81.28,81.03 81.35,80.95 81.35,79.88 78.83,77.35 78.83,75.57 74.38,71.12 74.38,63.23 v2(74.07,62.92) ; v1(91.68,95.79) 91.53,95.93 91.27,95.93 89.89,94.56 89.89,93.74 85.16,89.01 85.16,83.98 84.68,83.5 83.96,83.5 v1(83.84,83.62) ; J1.3 143.27,116.18 141.9,114.81 141.9,114.05 143.5,112.44 143.5,99.63 142.78,98.91 136.89,98.91 136.55,99.24 136.55,99.58 137.32,100.36
/USB-: length 168.5
  Top w0.203: v1(84.45,84.05) 84.45,83.45 84.11,83.11 84.11,83.1 83.58,82.57 83.15,82.57 v2(81.83,81.26) ; v1(91.68,96.54) 92.41,96.54 96.31,100.43 105.03,100.43 107.96,103.36 123.98,103.36 124.83,102.52 128.79,102.52 131.79,99.52 134.49,99.52 135.32,100.36 ; v2(68.52,30.96) 68.52,31.85 68.17,32.2 68.17,58.14 69.51,59.48 72.35,59.48 74.66,61.78 74.66,62.78 v2(74.89,63.01)
  Bottom w0.203: v2(74.89,63.01) 74.73,63.16 74.73,70.97 79.18,75.42 79.18,77.21 81.83,79.86 v2(81.83,81.26) ; v2(68.52,30.96) 68.09,30.96 66.54,29.41 66.54,23.2 69.01,20.73 72.22,20.73 72.86,21.38 72.86,21.69 M3.N31 ; v1(91.68,96.54) 91.37,96.54 89.54,94.7 89.54,93.89 84.8,89.15 84.8,84.4 v1(84.45,84.05) ; J1.2 143.9,114.03 143.9,99.46 142.94,98.5 136.72,98.5 136.12,99.1 136.12,99.56 135.32,100.36
/VIGN: length 171.8
  Top w0.2: v1(23.05,85.56) 23.04,85.57 23.04,87.94 23.1,88.01 23.1,97 23.35,97.25 v1(23.35,104.86)
  Top w0.203: v1(59.67,31.01) 60.44,31.77 64.75,31.77 67.01,34.02 67.01,58.69 72.12,63.81 75.64,63.81 78.6,60.85 78.6,60.36 79.06,59.89 v2(85.48,59.89)
  Bottom w0.2: M10.V5 23.04,105.17 v1(23.35,104.86)
  Bottom w0.203: M3.S7 v2(85.48,59.89) ; v1(59.67,31.01) 57.35,31.01 56.12,29.77 56.12,29.67 55.68,29.23 46.72,29.23 44.94,27.45 29.7,27.45 27.2,29.95 27.2,56.11 22.15,61.16 22.15,83.08 23.08,84.01
  Bottom w0.254: 23.08,84.01 23.05,84.03 v1(23.05,85.56)
/VREF2: length 24.1
  Top w0.254: v1(98.03,78.76) 98.23,78.56 103.2,78.56 103.67,79.03 108.78,79.03 v1(108.95,79.2) ; M9.W2 108.62,86.81 v1(108.7,86.89)
  Bottom w0.254: v1(98.03,78.76) 97.86,78.76 96.13,77.02 M1.S13 ; v1(108.7,86.89) 108.7,86.88 108.7,79.45 v1(108.95,79.2)
/VVT: length 128.3
  Top w0.2: v1(65.77,34.56) 65.77,36.11 65.01,36.88 65.01,41.96 63.99,42.98 63.99,55.12 64.75,55.88 64.75,58.95 65.47,59.66 65.42,59.71 65.42,60.21 65.78,60.56 66.27,60.56 66.32,60.51 68.72,62.91 68.72,63.41 77.36,72.04 77.36,73.33 78.34,74.3 82.68,74.3 v1(83.93,75.55) ; v1(121.14,87.9) 120.63,87.39 110.49,87.39 108.78,85.68 104.44,85.68 103.01,84.25 85.98,84.25 v1(85.78,84.05) ; Q1.1 v1(118.08,108.97) 118.08,108.25 R28.1
  Bottom w0.2: v1(85.78,84.05) 85.78,83.76 85.33,83.31 85.33,77.26 83.93,75.86 v1(83.93,75.55) ; v1(121.14,87.9) 120.75,88.29 120.75,105.73 118.08,108.4 v1(118.08,108.97) ; v1(65.77,34.56) 65.93,34.72 M3.E10
/WBO_H-: length 13.4
  Top w2.8: 62.27,134.64 P2.57
  Top w2.9: 62.47,134.64 62.27,134.64
  Top w3: 62.47,134.64 63.85,133.25 63.85,130.09 63.12,129.36 M12.E5
/WBO_Ip: length 8.3
  Bottom w0.2: P2.100 66.27,126.23 M12.E3
/WBO_R_Trim: length 19.4
  Bottom w0.2: P2.15 57.85,138.06 57.85,130.67 58.71,129.81 61.45,129.81 65.27,125.99 M12.E4
/WBO_Vs: length 14.9
  Bottom w0.2: P2.56 58.9,135.16 61.36,132.7 61.78,132.7 68.27,126.21 M12.E1
/WBO_Vs/Ip: length 13.2
  Bottom w0.2: M12.E2 67.27,126.72 61.64,132.35 60.15,132.35 P2.99
Net-(BT1-Pad1): length 4.5
  Top w0.254: BT1.1 45.61,9.14 D24.2
Net-(C4-Pad1): length 14.1
  Top w0.254: C4.1 132.96,82.63 140.64,82.63 143.13,85.11 143.13,85.81
Net-(C4-Pad2): length 5.3
  Top w0.254: C4.2 129.53,84.48 128.31,84.48 128.31,83.4 128.01,83.11 127.3,83.11 127.04,83.37 127.04,84.48
Net-(C8-Pad1): length 17.3
  Top w0.2: 44.38,99.08 44.38,100.61 43.07,101.92 43.07,102.65
  Bottom w0.2: v1(43,115.08) v1(43,101.88)
Net-(C10-Pad1): length 1.2
  Top w0.2: R21.1 43.39,99.1 43.39,100.22
Net-(C10-Pad2): length 2.4
  Top w0.2: 41.8,102.65 41.8,100.3 C10.2
Net-(C14-Pad2): length 31.7
  Top w0.2: D34.1 43.47,97.81 42.55,98.73 v1(42.55,101.01) ; v1(42.45,117.48) 41.8,116.82 41.8,114.07 41.23,113.51 36.78,113.51 35.9,114.38 C14.2
  Bottom w0.2: v1(42.55,101.01) 42.45,101.1 v1(42.45,117.48)
Net-(D1-Pad2): length 3
  Top w0.254: R13.1 D1.2
Net-(D2-Pad2): length 3
  Top w0.254: D2.2 R50.1
Net-(D3-Pad2): length 2.3
  Top w0.2: 123.68,50.89 124.01,51.22 124.01,53.09
Net-(D4-Pad2): length 4.8
  Top w0.2: D4.2 118.92,52.34 120.71,52.34 121.46,53.09
Net-(D10-Pad2): length 4
  Top w0.254: D5.2 24.88,88.81 24.78,88.91 24.78,87.14 R2.1
Net-(D11-Pad2): length 2.5
  Top w0.254: D11.2 28.38,87.54 27.65,86.81
Net-(D12-Pad1): length 9.1
  Top w0.2: D12.1 72.46,75.88 D6.1 72.16,73.21 69.19,70.24 69.08,70.24
Net-(D13-Pad1): length 9
  Top w0.2: D7.1 70.3,76.18 D13.1 70.6,72.14 69.34,70.88 68.43,70.88 68.2,70.66 68.2,70.24
Net-(D14-Pad1): length 8.6
  Top w0.2: D8.1 65.71,76.18 D14.1 65.41,71.48 66.01,70.88 66.76,70.88 67.4,70.24
Net-(D15-Pad1): length 9
  Top w0.2: 66.53,70.24 66.16,70.24 64.75,71.65 v1(64.75,72.92) ; D9.1 63.68,76.18 v1(62.9,75.41) 62.43,75.88 D15.1
  Bottom w0.2: v1(62.9,75.41) 64.75,73.55 v1(64.75,72.92)
Net-(D16-Pad1): length 4.2
  Top w0.2: D20.1 90.73,93.03 D16.1 87.62,94.74 R20.8
Net-(D17-Pad1): length 3.9
  Top w0.2: R20.7 86.74,93.68 D17.1 86.28,93.22 D21.1
Net-(D18-Pad1): length 4.4
  Top w0.2: R20.6 85.94,94.71 84.25,93.02 D18.1 83.98,93.22 D22.1
Net-(D19-Pad1): length 6.7
  Top w0.2: D23.1 80.68,93.22 D19.1 81.86,94 84.19,94 85.07,94.88
Net-(D25-Pad2): length 2.8
  Top w0.2: 123.13,53.09 123.13,52.55 121.6,51.02 D25.2
Net-(D26-Pad1): length 4.6
  Top w0.254: D29.1 114.05,101.81 D26.1 113.5,99.81 R16.7
Net-(D26-Pad2): length 3.9
  Top w0.254: R14.2 117.8,100.36 D26.2 116.05,100.66 D29.2
Net-(D27-Pad1): length 4.6
  Top w0.254: R16.6 113.5,99.01 D27.1 114.05,96.99 D30.1
Net-(D27-Pad2): length 3.9
  Top w0.254: D30.2 116.05,98.16 D27.2 117.8,98.46 R15.2
Net-(D28-Pad2): length 3.8
  Top w0.2: 122.33,53.09 122.33,52.77 121.4,51.83 120.45,51.83 D28.2
Net-(D33-Pad1): length 3.2
  Top w0.2: R21.2 41.75,97.96 D34.2 40.71,96.92 D33.1
Net-(F4-Pad1): length 8.2
  Top w1: P2.98 56.4,128.06 53.32,124.99 F4.1
Net-(F5-Pad1): length 13.7
  Top w1: F5.1 50.78,124.73 54.95,128.9 54.95,133.22 56.4,134.67 P2.55
Net-(F6-Pad1): length 82
  Bottom w1: P2.115 114.73,131.54 112.21,134.06 110.55,134.06 109.85,134.75 109.85,142.37 109.7,142.52
  Bottom w1.5: R37.2 149.75,130.61 F6.1 147.81,134.55 147.81,144.54 145.9,146.45 142.29,146.45 135.18,153.57 110.61,153.57 109.7,152.66 109.7,142.52
Net-(G4-Pad1): length 5.1
  Top w0.508: G4.1 G4.11
Net-(G4-Pad10): length 5.1
  Top w0.508: G4.5 G4.15
Net-(G4-Pad12): length 5.1
  Top w0.508: G4.12 G4.2
Net-(G4-Pad13): length 5.1
  Top w0.508: G4.3 G4.13
Net-(G4-Pad14): length 5.1
  Top w0.508: G4.14 G4.4
Net-(G5-Pad1): length 5.1
  Top w0.508: G5.11 G5.1
Net-(G5-Pad10): length 5.1
  Top w0.508: G5.15 G5.5
Net-(G5-Pad12): length 5.1
  Top w0.508: G5.2 G5.12
Net-(G5-Pad13): length 5.1
  Top w0.508: G5.13 G5.3
Net-(G5-Pad14): length 5.1
  Top w0.508: G5.4 G5.14
Net-(G6-Pad1): length 5.1
  Top w0.508: G6.11 G6.1
Net-(G6-Pad10): length 5.1
  Top w0.508: G6.5 G6.15
Net-(G6-Pad12): length 5.1
  Top w0.508: G6.2 G6.12
Net-(G6-Pad13): length 5.1
  Top w0.508: G6.13 G6.3
Net-(G6-Pad14): length 5.1
  Top w0.508: G6.4 G6.14
Net-(G7-Pad1): length 5.1
  Top w0.508: 25.32,32.35 20.24,32.35
Net-(G7-Pad10): length 5.1
  Top w0.508: 25.32,42.51 20.24,42.51
Net-(G7-Pad12): length 5.1
  Top w0.508: 20.24,34.89 25.32,34.89
Net-(G7-Pad13): length 5.1
  Top w0.508: 25.32,37.43 20.24,37.43
Net-(G7-Pad14): length 5.1
  Top w0.508: 20.24,39.97 25.32,39.97
Net-(G9-Pad1): length 5.1
  Top w0.508: G9.11 G9.1
